# KiCad board 8851_HW-U1-VCU118_REV2-0_071417.kicad_pcb (continued)
## Routing (per net, layer and track width the routed paths; a pad name or vN(x,y) marks a point on that pad's centre or on a via; arc(x,y) is an arc through that point) (continued)
FMCP_HSPC_DP14_C2M_N: length 181.6
  TOP w0.102: J22.M19 v3(82.75,169.5)
  TOP w0.113: 111.95,82.03 v2(111.45,82.52)
  05_SIG2 w0.107: v2(111.45,82.52) 111.45,82.24 arc(111.64,82.31) 111.56,82.13 111.73,82.13 arc(111.81,82.16) 111.85,82.24 111.85,87.63 arc(111.82,87.73) 111.76,87.82 111.57,88.02 arc(111.43,88.11) 111.27,88.14 arc(111.07,88.18) 110.91,88.29 110.67,88.53 110.55,88.53 110.53,88.55
  05_SIG2 w0.15: 110.53,88.55 106.91,92.17 arc(106.28,93.11) 106.06,94.23 106.06,102.68 106.05,102.69 106.05,110.58 arc(106.12,110.94) 106.33,111.25 arc(106.47,111.47) 106.52,111.73 106.52,111.73 106.5,115.37 arc(106.46,115.98) 106.36,116.58 106.3,116.8 arc(112.47,117.9) 106.22,117.53 106.22,125.03 arc(106.06,125.82) 105.61,126.49 101.84,130.26 arc(101.41,130.55) 100.9,130.65 92.59,130.65 arc(94.94,136.32) 89.27,133.97 89.27,134.91 arc(89.18,135.11) 88.98,135.19 88.28,135.19 arc(88.74,136.3) 87.62,135.84 87.62,139.38 arc(87.5,140) 87.15,140.52 86.52,141.16 arc(85.5,141.84) 84.3,142.08 77.92,142.08 arc(76.91,142.28) 76.05,142.85 arc(74.84,143.66) 73.42,143.94 72.45,143.94 arc(70.48,144.33) 68.82,145.44 arc(68.49,145.94) 68.37,146.52 68.37,146.64 arc(68.48,147.17) 68.78,147.62 70.02,148.86 arc(70.55,149.21) 71.17,149.34 71.44,149.34 arc(71.93,149.13) 72.13,148.64 72.13,147.87 arc(71.93,147.38) 71.44,147.17 70.71,147.17 arc(70.99,146.89) 70.71,146.61 71.57,146.61 arc(71.97,146.45) 72.13,146.05 arc(72.41,146.33) 72.69,146.05 72.69,148.64 arc(72.9,149.13) 73.39,149.34 74.16,149.34 arc(74.47,149.4) 74.72,149.57 76.46,151.31 arc(76.8,151.82) 76.92,152.42 76.92,153.8 76.95,153.82 76.95,154.98 76.92,155 76.92,156.66 76.95,156.68 76.95,158.31 arc(76.84,158.58) 76.57,158.69 76.38,158.69 arc(76.13,158.74) 75.93,158.88 75.91,158.9 arc(77.14,159.72) 75.69,159.43 75.69,167.08 arc(76.89,166.84) 75.87,167.52 75.98,167.63 arc(76.18,167.77) 76.42,167.81 82.99,167.81 arc(83.13,167.87) 83.19,168.01 83.19,169.35 arc(83.14,169.46) 83.04,169.5 v3(82.75,169.5)
FMCP_HSPC_DP14_C2M_P: length 173
  TOP w0.102: J22.M18 v3(84,169.5)
  TOP w0.113: 111.95,81.05 v2(111.45,81.54)
  05_SIG2 w0.107: v2(111.45,81.54) 111.45,81.67 arc(111.53,81.85) 111.72,81.93 111.73,81.93 arc(111.95,82.02) 112.05,82.24 112.05,87.63 arc(112.01,87.81) 111.91,87.96 111.71,88.16 arc(111.51,88.3) 111.27,88.34 arc(111.15,88.37) 111.05,88.43 110.81,88.67 110.81,88.8 110.79,88.81
  05_SIG2 w0.15: 110.79,88.81 107.18,92.43 arc(106.63,93.25) 106.43,94.23 106.43,102.84 106.43,102.84 106.43,110.58 arc(107.54,110.36) 106.6,110.99 arc(106.82,111.33) 106.9,111.73 106.9,111.73 106.88,115.38 arc(106.84,116.03) 106.72,116.67 106.67,116.89 arc(112.1,117.85) 106.59,117.53 106.59,125.03 arc(106.41,125.96) 105.88,126.75 102.1,130.53 arc(101.55,130.9) 100.9,131.03 92.59,131.03 arc(94.68,136.06) 89.64,133.97 89.64,134.91 arc(89.45,135.37) 88.98,135.57 88.28,135.57 arc(88.47,136.04) 88,135.84 88,139.38 arc(87.85,140.14) 87.42,140.79 86.78,141.42 arc(85.64,142.18) 84.3,142.45 77.92,142.45 arc(77.05,142.62) 76.32,143.12 arc(74.99,144) 73.42,144.32 72.45,144.32 arc(70.63,144.68) 69.08,145.71 arc(68.84,146.08) 68.75,146.52 68.75,146.64 arc(68.83,147.03) 69.04,147.35 70.29,148.6 arc(70.69,148.87) 71.17,148.96 71.44,148.96 arc(71.66,148.87) 71.76,148.64 71.76,147.87 arc(71.66,147.64) 71.44,147.55 70.71,147.55 arc(71.36,146.89) 70.71,146.23 71.57,146.23 arc(71.7,146.18) 71.76,146.05 arc(72.41,146.71) 73.07,146.05 73.07,148.64 arc(73.16,148.87) 73.39,148.96 74.16,148.96 arc(74.61,149.05) 74.99,149.3 76.43,150.74 76.73,151.04 arc(77.15,151.68) 77.3,152.42 77.3,153.64 77.33,153.67 77.33,155.13 77.3,155.16 77.3,156.5 77.33,156.53 77.33,158.31 arc(77.11,158.85) 76.57,159.06 76.38,159.06 arc(76.28,159.09) 76.19,159.14 76.17,159.16 arc(76.09,159.28) 76.06,159.43 76.06,167.08 arc(76.08,167.18) 76.14,167.26 76.25,167.37 arc(76.33,167.42) 76.42,167.44 82.99,167.44 arc(83.4,167.61) 83.56,168.01 83.56,169.21 arc(83.65,169.42) 83.86,169.5 v3(84,169.5)
FMCP_HSPC_DP14_M2C_N: length 154.1
  TOP w0.102: J22.Y19 v3(82.75,153.25)
  TOP w0.113: v2(113.42,87.44) 113.91,86.95
  05_SIG2 w0.107: v2(113.42,87.44) 113.42,87.16 arc(113.61,87.24) 113.53,87.05 113.61,87.05 arc(113.76,87.11) 113.83,87.27 113.83,87.88 arc(113.81,87.97) 113.75,88.05 113.73,88.08
  05_SIG2 w0.15: 113.73,88.08 113.73,88.4 arc(113.69,88.6) 113.57,88.77 109.42,92.92 arc(109.16,93.32) 109.07,93.78 109.07,103.52 arc(109.03,103.7) 108.92,103.84 108.84,103.91 108.83,103.91 arc(108.79,103.93) 108.74,103.96 arc(108.54,104.13) 108.42,104.37 arc(109.64,104.14) 109.09,105.25 109.67,105.25 arc(109.87,105.33) 109.95,105.53 109.95,106.31 arc(111.21,106.06) 110.14,106.77 110.23,106.86 arc(110.3,107.02) 110.23,107.17 arc(110.14,107.23) 110.03,107.26 109.11,107.26 arc(109.8,107.95) 109.11,108.64 109.67,108.64 arc(109.99,108.78) 110.12,109.1 arc(110.02,109.63) 109.72,110.08 arc(111.01,110.94) 109.49,110.64 109.49,116.72 arc(109.43,117.03) 109.26,117.28 108.91,117.63 arc(111.03,119.05) 108.52,118.55 108.52,127.94 arc(108.38,128.65) 107.99,129.24 100.83,136.4 arc(100.57,136.57) 100.27,136.63 98.36,136.63 arc(98.26,136.59) 98.21,136.48 98.21,134.55 arc(97.46,135.3) 96.71,134.55 96.71,136.47 arc(96.37,136.81) 96.04,136.47 96.04,134.47 arc(95.81,133.93) 95.26,133.7 95.1,133.7 arc(94.96,133.67) 94.84,133.59 94.68,133.43 arc(94.48,133.3) 94.25,133.25 94.22,133.25 arc(94.85,134.77) 93.34,134.14 93.34,134.22 arc(94.97,133.89) 93.59,134.82 93.97,135.21 arc(94.06,135.33) 94.09,135.48 94.09,138.59 arc(94.04,138.84) 93.9,139.05 93.55,139.4 arc(93.22,139.62) 92.83,139.7 91.09,139.7 arc(90.57,139.8) 90.12,140.1 arc(91.24,140.84) 89.92,140.58 89.92,140.93 arc(89.9,141.16) 89.82,141.39 arc(89.74,141.52) 89.64,141.64 86.87,144.4 arc(86.34,144.76) 85.7,144.89 arc(85.1,145.01) 84.6,145.34 84.28,145.66 arc(84.12,145.91) 84.06,146.2 84.06,146.59 arc(83.76,147.3) 83.05,147.59 80.84,147.59 arc(80.31,147.49) 79.86,147.19 78.98,146.31 arc(78.67,146.1) 78.3,146.03 77.94,146.03 arc(77.74,146.06) 77.57,146.18 77.34,146.41 arc(78.8,147.26) 77.11,147.23 arc(77.2,147.45) 77.34,147.64 77.85,148.15 arc(79.23,149.07) 80.86,149.4 82.17,149.4 arc(82.51,149.74) 82.17,150.07 80.05,150.07 arc(80.52,151.2) 79.39,150.73 79.39,152 arc(79.57,152.43) 80.01,152.61 80.8,152.61 arc(81.18,152.45) 81.34,152.07 81.34,151.82 arc(81.77,152) 81.59,151.57 81.85,151.57 arc(82.09,151.62) 82.29,151.76 83.15,152.62 arc(83.21,152.7) 83.24,152.79 arc(83.25,152.82) 83.25,152.86 83.25,153.04 arc(83.19,153.19) 83.04,153.25 v3(82.75,153.25)
FMCP_HSPC_DP14_M2C_P: length 138.4
  TOP w0.102: J22.Y18 v3(84,153.25)
  TOP w0.113: v2(113.42,86.46) 113.91,85.97
  05_SIG2 w0.107: v2(113.42,86.46) 113.42,86.74 arc(113.45,86.82) 113.53,86.85 113.61,86.85 arc(113.9,86.97) 114.03,87.27 114.03,87.89 arc(114.53,87.79) 114.1,88.08
  05_SIG2 w0.15: v3(84,153.25) 83.71,152.97 arc(83.64,152.85) 83.61,152.72 arc(83.54,152.52) 83.42,152.35 82.56,151.49 arc(82.23,151.27) 81.85,151.2 81.59,151.2 arc(82.04,152.26) 80.97,151.82 80.97,152.07 arc(80.92,152.19) 80.8,152.24 80.01,152.24 arc(79.84,152.17) 79.77,152 79.77,150.73 arc(80.25,150.93) 80.05,150.45 82.17,150.45 arc(82.88,149.74) 82.17,149.02 80.86,149.02 arc(79.38,148.73) 78.12,147.89 77.61,147.38 arc(77.53,147.27) 77.48,147.14 77.48,147.07 arc(77.52,146.82) 77.66,146.62 77.84,146.44 arc(77.88,146.41) 77.94,146.4 78.3,146.4 arc(78.53,146.44) 78.72,146.57 79.6,147.45 arc(80.17,147.84) 80.84,147.97 83.05,147.97 arc(84.03,147.56) 84.43,146.59 84.43,146.2 arc(84.46,146.05) 84.55,145.92 84.86,145.61 arc(85.25,145.35) 85.7,145.26 arc(86.48,145.11) 87.14,144.67 89.9,141.91 arc(90.04,141.74) 90.15,141.55 arc(90.26,141.25) 90.3,140.93 90.3,140.58 90.3,140.58 arc(90.89,140.7) 90.39,140.37 arc(90.71,140.15) 91.09,140.08 92.82,140.08 arc(93.36,139.97) 93.82,139.66 94.16,139.32 arc(94.38,138.99) 94.46,138.59 94.46,135.48 arc(94.4,135.19) 94.24,134.94 93.85,134.55 arc(94.63,134.04) 93.71,134.22 93.71,134.14 arc(94.59,134.5) 94.22,133.62 94.25,133.62 arc(94.34,133.64) 94.41,133.69 94.58,133.86 arc(94.82,134.02) 95.1,134.08 95.26,134.08 arc(95.54,134.19) 95.66,134.47 95.66,136.47 arc(96.37,137.19) 97.09,136.47 97.09,134.55 arc(97.46,134.93) 97.84,134.55 97.84,136.48 arc(97.99,136.85) 98.36,137 100.27,137 arc(100.72,136.92) 101.1,136.66 108.25,129.51 arc(108.73,128.79) 108.9,127.94 108.9,118.55 arc(110.68,118.9) 109.17,117.9 109.52,117.55 arc(109.77,117.17) 109.86,116.72 109.86,110.64 arc(109.89,110.48) 109.98,110.34 arc(110.36,109.77) 110.5,109.1 arc(110.26,108.51) 109.67,108.27 109.11,108.27 arc(109.43,107.95) 109.11,107.63 110.03,107.63 arc(110.28,107.58) 110.5,107.44 arc(110.67,107.02) 110.5,106.6 110.41,106.51 arc(110.86,106.2) 110.33,106.31 110.33,105.53 arc(110.13,105.07) 109.67,104.87 109.09,104.87 arc(109.35,104.36) 108.79,104.47 arc(108.81,104.38) 108.88,104.31 108.93,104.28 arc(108.95,104.27) 108.97,104.26 arc(109,104.25) 109.02,104.24 109.16,104.13 arc(109.37,103.86) 109.44,103.52 109.44,93.78 arc(109.51,93.46) 109.69,93.19 113.84,89.04 arc(114.03,88.75) 114.1,88.4 114.1,88.08
FMCP_HSPC_DP15_C2M_N: length 157.9
  TOP w0.102: J22.M23 v3(77.75,169.5)
  TOP w0.113: v2(109.49,82.52) 109.98,82.03
  05_SIG2 w0.107: 109.04,88.38 109.06,88.36 109.19,88.36 109.77,87.77 arc(109.85,87.65) 109.88,87.52 109.88,82.24 arc(109.85,82.16) 109.77,82.13 109.59,82.13 arc(109.67,82.31) 109.49,82.24 v2(109.49,82.52)
  05_SIG2 w0.15: 109.04,88.38 107.17,90.25 arc(106.97,90.33) 106.77,90.25 106.51,89.99 arc(106.99,89.79) 106.51,89.59 106.99,89.11 arc(107.2,88.62) 106.99,88.13 arc(106.5,87.93) 106.01,88.13 105.51,88.64 arc(105.33,88.71) 105.16,88.64 104.7,88.18 arc(104.24,87.99) 103.78,88.18 arc(105.05,88.7) 103.78,89.22 105.58,91.02 arc(105.75,91.43) 105.58,91.84 105.01,92.41 arc(104.66,92.94) 104.53,93.56 104.53,106.95 arc(104.53,107.07) 104.51,107.19 104.31,108.2 arc(104.29,108.36) 104.28,108.52 104.28,125.37 arc(104.17,125.89) 103.88,126.33 101.95,128.25 arc(101.74,128.4) 101.48,128.45 100.54,128.45 arc(100.22,128.51) 99.95,128.69 99.49,129.16 arc(99.19,129.36) 98.84,129.43 96.67,129.43 arc(96.36,129.29) 96.22,128.97 96.22,128.83 arc(95.4,129.66) 94.57,128.83 94.57,129.09 arc(94.48,129.33) 94.24,129.43 91.98,129.43 arc(90.73,129.67) 89.66,130.39 88.43,131.62 arc(88.05,132.18) 87.92,132.85 arc(87.8,133.45) 87.46,133.95 86.89,134.52 arc(89.43,136.22) 86.44,135.62 86.44,138.69 arc(86.32,139.28) 85.98,139.78 arc(84.98,140.45) 83.8,140.69 76.94,140.69 arc(75.94,140.89) 75.09,141.46 74.94,141.6 arc(74.08,142.18) 73.07,142.38 72.84,142.38 arc(72.83,142.38) 72.83,142.38 arc(69.98,143.02) 67.57,144.66 arc(71.8,146.41) 67.57,148.16 69.75,150.35 arc(70.28,150.7) 70.9,150.82 72.39,150.82 arc(72.86,150.92) 73.27,151.19 74.36,152.27 arc(74.43,152.38) 74.45,152.5 74.45,153.69 74.42,153.72 74.42,155.06 74.45,155.09 74.45,156.2 74.42,156.23 74.42,168.38 arc(74.63,168.86) 75.11,169.06 78.05,169.06 arc(78.15,169.1) 78.19,169.2 78.19,169.35 arc(78.14,169.46) 78.04,169.5 v3(77.75,169.5)
FMCP_HSPC_DP15_C2M_P: length 154.6
  TOP w0.102: J22.M22 v3(79,169.5)
  TOP w0.113: v2(109.49,81.54) 109.98,81.05
  05_SIG2 w0.107: v2(109.49,81.54) 109.49,81.67 arc(109.56,81.85) 109.74,81.93 109.77,81.93 arc(109.99,82.02) 110.08,82.24 110.08,87.52 arc(110.03,87.73) 109.91,87.91 109.33,88.5 109.33,88.62 109.31,88.64
  05_SIG2 w0.15: v3(79,169.5) 78.86,169.5 arc(78.65,169.41) 78.56,169.2 arc(78.41,168.84) 78.05,168.69 75.11,168.69 arc(74.89,168.6) 74.8,168.38 74.8,156.38 74.83,156.36 74.83,155.09 74.8,155.06 74.8,153.87 74.83,153.85 74.83,152.5 arc(74.77,152.23) 74.62,152.01 73.54,150.92 arc(73.01,150.57) 72.39,150.45 70.9,150.45 arc(70.42,150.35) 70.01,150.08 67.83,147.9 arc(71.42,146.41) 67.83,144.92 arc(70.13,143.36) 72.84,142.76 arc(72.95,142.75) 73.06,142.75 73.07,142.75 arc(74.22,142.52) 75.2,141.87 75.35,141.72 arc(76.08,141.23) 76.94,141.06 83.8,141.06 arc(85.13,140.8) 86.25,140.05 arc(86.67,139.42) 86.81,138.69 86.81,135.62 arc(89.09,136.07) 87.16,134.78 87.73,134.21 arc(88.15,133.59) 88.29,132.85 arc(88.4,132.33) 88.69,131.88 89.93,130.65 arc(90.87,130.02) 91.98,129.8 94.24,129.8 arc(94.74,129.59) 94.95,129.09 94.95,128.83 arc(95.4,129.28) 95.85,128.83 95.85,128.97 arc(96.09,129.56) 96.67,129.8 98.84,129.8 arc(99.33,129.7) 99.75,129.42 100.22,128.96 arc(100.37,128.86) 100.54,128.82 101.48,128.82 arc(101.88,128.75) 102.22,128.52 104.14,126.59 arc(104.52,126.03) 104.65,125.37 104.65,108.52 arc(104.66,108.39) 104.68,108.27 104.88,107.27 arc(104.9,107.11) 104.91,106.95 104.91,93.56 arc(105,93.08) 105.27,92.67 105.85,92.1 arc(106.13,91.43) 105.85,90.76 104.05,88.96 arc(104.67,88.7) 104.05,88.44 arc(104.24,88.36) 104.43,88.44 104.89,88.9 arc(105.33,89.08) 105.77,88.9 106.28,88.4 arc(106.5,88.31) 106.73,88.4 arc(106.82,88.62) 106.73,88.85 106.25,89.33 arc(107.37,89.79) 106.25,90.26 106.51,90.51 arc(106.97,90.71) 107.43,90.51 109.31,88.64
FMCP_HSPC_DP15_M2C_N: length 162.8
  TOP w0.102: J22.Y23 v3(77.75,153.25)
  TOP w0.113: v2(112.44,85.48) 112.93,84.98
  05_SIG2 w0.107: v2(112.44,85.48) 112.44,85.18 arc(112.7,85.29) 112.59,85.03 112.72,85.03 arc(112.79,85.06) 112.83,85.14 112.83,87.61 arc(112.75,87.98) 112.54,88.29 112.17,88.67 arc(112.14,88.69) 112.1,88.71 arc(112.05,88.73) 112,88.74 111.97,88.74 111.96,88.76
  05_SIG2 w0.15: v3(77.75,153.25) 77.94,153.25 arc(78.1,153.18) 78.17,153.02 78.17,150.51 arc(77.83,149.7) 77.03,149.37 arc(76.72,149.31) 76.47,149.14 76.11,148.78 arc(77.56,147.81) 75.85,148.15 75.85,146.68 arc(75.55,146.98) 75.25,146.68 75.25,147.17 arc(75.19,147.49) 75.01,147.77 74.97,147.8 arc(74.78,147.93) 74.56,147.97 arc(74.28,147.9) 74.06,147.71 74.02,147.65 arc(73.94,147.49) 73.91,147.3 73.91,145.73 arc(74.99,146.18) 74.54,145.09 75,145.09 arc(75.98,144.9) 76.81,144.34 77.39,143.76 arc(77.84,143.46) 78.38,143.35 78.61,143.35 arc(79.14,143.57) 79.36,144.1 79.36,144.88 arc(79.7,145.21) 80.03,144.88 80.03,144.1 arc(80.78,144.85) 81.53,144.1 81.53,144.88 arc(81.87,145.21) 82.21,144.88 82.21,144.1 arc(83.49,144.63) 82.96,143.35 84.95,143.35 arc(86.08,143.12) 87.04,142.48 88.08,141.45 arc(88.65,140.59) 88.85,139.58 88.85,139.23 arc(90.13,139.76) 89.6,138.48 92.6,138.48 arc(92.94,138.14) 92.6,137.8 89.6,137.8 arc(90.35,137.05) 89.6,136.3 92.6,136.3 arc(92.94,135.96) 92.6,135.63 91.01,135.63 arc(90.63,135.47) 90.47,135.08 90.47,133.97 arc(93.87,135.38) 92.46,131.97 97.12,131.97 arc(97.7,132.09) 98.19,132.42 98.56,132.78 arc(99.3,133.28) 100.17,133.45 101.91,133.45 arc(102.26,133.31) 102.41,132.95 102.41,131.74 arc(104.11,132.08) 102.67,131.11 107.13,126.65 arc(107.31,126.38) 107.37,126.06 107.37,118.02 arc(109.5,118.44) 107.7,117.24 arc(107.8,117.08) 107.84,116.9 107.84,109.92 arc(107.8,109.71) 107.68,109.52 arc(107.67,109.5) 107.66,109.49 arc(110.11,107.85) 107.22,108.43 107.22,103.93 arc(109.17,104.32) 107.52,103.21 arc(107.58,103.11) 107.6,103 107.6,93.49 arc(107.67,93.14) 107.88,92.83 111.96,88.76
FMCP_HSPC_DP15_M2C_P: length 147.3
  TOP w0.102: J22.Y22 v3(79,153.25)
  TOP w0.113: v2(112.44,84.49) 112.93,84
  05_SIG2 w0.107: 112.22,89.02 112.24,89 arc(112.81,89.12) 112.33,88.79 112.68,88.43 arc(112.94,88.06) 113.03,87.61 113.03,85.14 arc(112.93,84.92) 112.72,84.83 112.57,84.83 arc(112.56,84.83) 112.56,84.83 arc(112.47,84.79) 112.44,84.7 v2(112.44,84.49)
  05_SIG2 w0.15: 112.22,89.02 108.14,93.1 arc(108.02,93.28) 107.98,93.49 107.98,103 arc(107.93,103.25) 107.78,103.47 arc(107.64,103.68) 107.59,103.93 107.59,108.43 arc(107.68,108.86) 107.92,109.23 arc(107.94,109.25) 107.96,109.27 108.21,109.37 108.21,116.9 arc(108.15,117.22) 107.96,117.5 arc(109.15,118.3) 107.75,118.02 107.75,118.02 107.75,126.06 arc(107.66,126.52) 107.39,126.91 102.93,131.37 arc(103.77,131.93) 102.78,131.74 102.78,132.95 arc(102.53,133.57) 101.91,133.83 100.17,133.83 arc(99.15,133.63) 98.29,133.05 97.92,132.68 arc(97.56,132.44) 97.12,132.35 92.46,132.35 arc(93.61,135.12) 90.84,133.97 90.84,135.08 arc(90.89,135.2) 91.01,135.25 92.6,135.25 arc(93.31,135.96) 92.6,136.68 89.6,136.68 arc(89.97,137.05) 89.6,137.43 92.6,137.43 arc(93.31,138.14) 92.6,138.85 89.6,138.85 arc(89.87,139.49) 89.22,139.23 89.22,139.58 arc(89,140.74) 88.34,141.72 87.31,142.75 arc(86.23,143.47) 84.95,143.73 82.96,143.73 arc(83.22,144.37) 82.58,144.1 82.58,144.88 arc(81.87,145.59) 81.16,144.88 81.16,144.1 arc(80.78,144.48) 80.41,144.1 80.41,144.88 arc(79.7,145.59) 78.98,144.88 78.98,144.1 arc(78.87,143.83) 78.61,143.73 78.38,143.73 arc(77.99,143.8) 77.65,144.03 77.07,144.61 arc(76.12,145.24) 75,145.47 74.54,145.47 arc(74.73,145.91) 74.28,145.73 74.28,147.3 arc(74.29,147.37) 74.32,147.44 74.36,147.5 arc(74.45,147.57) 74.56,147.6 74.56,147.6 arc(74.64,147.58) 74.71,147.54 74.74,147.5 arc(74.84,147.35) 74.88,147.17 74.88,146.68 arc(75.55,147.35) 76.23,146.68 76.23,148.15 arc(77.22,147.96) 76.38,148.52 76.73,148.87 arc(76.87,148.96) 77.03,148.99 arc(78.1,149.44) 78.54,150.51 78.54,152.31 arc(80.79,151.87) 78.89,153.14 v3(79,153.25)
FMCP_HSPC_DP16_C2M_N: length 180
  TOP w0.102: J22.M27 v3(72.75,169.5)
  TOP w0.113: v2(100.63,84.49) 101.12,84
  05_SIG2 w0.107: 101.92,88.32 101.96,88.28 arc(102,88.23) 102.01,88.17 102.01,86.24 arc(101.96,86.12) 101.83,86.07 101.4,86.07 arc(101.14,85.96) 101.03,85.69 101.03,84.17 arc(100.99,84.08) 100.9,84.04 100.74,84.04 100.72,84.05 arc(100.82,84.23) 100.63,84.15 v2(100.63,84.49)
  05_SIG2 w0.15: 101.92,88.32 101.92,88.51 arc(103.51,88.19) 102.17,89.09 102.26,89.19 arc(102.8,90) 102.99,90.96 102.99,103.55 arc(104.56,103.23) 103.23,104.12 arc(103.32,104.26) 103.36,104.42 103.36,105.57 arc(103.32,105.76) 103.21,105.93 arc(103.05,106.17) 102.99,106.44 102.99,122.22 arc(102.8,123.17) 102.27,123.97 101.88,124.36 arc(101.68,124.44) 101.48,124.36 100.37,123.25 arc(99.88,123.05) 99.39,123.25 arc(100.57,123.74) 99.39,124.23 99.83,124.67 arc(99.9,124.77) 99.92,124.89 99.92,125.16 arc(99.86,125.3) 99.71,125.36 84.09,125.36 arc(84.77,127) 83.12,126.32 83.12,129.4 arc(82.79,130.21) 81.98,130.55 79.5,130.55 arc(80.68,133.39) 77.84,132.21 77.84,136.65 arc(77.51,137.46) 76.71,137.79 75.92,137.79 arc(75.46,137.6) 75.27,137.14 75.27,136.71 arc(74.45,137.54) 73.62,136.71 73.62,137.14 arc(73.49,137.46) 73.17,137.59 72,137.59 arc(70.72,137.85) 69.63,138.57 68.27,139.94 arc(74.15,143.87) 67.21,142.49 67.21,142.74 arc(67.17,142.97) 67.07,143.18 arc(67.03,143.23) 66.99,143.27 66.53,143.73 arc(71.37,146.96) 65.67,145.82 65.67,146.98 arc(65.88,148.07) 66.5,148.99 69.28,151.77 arc(69.41,151.96) 69.45,152.18 69.45,153.48 69.42,153.5 69.42,155.3 69.45,155.33 69.45,156.11 69.42,156.14 69.42,157.66 69.44,157.68 69.44,168.36 arc(69.65,168.86) 70.14,169.06 73.05,169.06 arc(73.14,169.1) 73.19,169.19 arc(73.19,169.2) 73.19,169.2 73.19,169.35 arc(73.14,169.46) 73.04,169.5 v3(72.75,169.5)
FMCP_HSPC_DP16_C2M_P: length 156.4
  TOP w0.102: J22.M26 v3(74,169.5)
  TOP w0.113: 101.12,83.01 v2(100.63,83.51)
  05_SIG2 w0.107: v2(100.63,83.51) 100.63,83.73 arc(100.66,83.81) 100.74,83.84 100.9,83.84 arc(101.13,83.94) 101.23,84.17 101.23,85.69 arc(101.28,85.81) 101.4,85.87 101.83,85.87 arc(102.1,85.97) 102.21,86.24 102.21,88.17 arc(102.22,88.22) 102.25,88.27 102.3,88.32
  05_SIG2 w0.15: 102.3,88.32 102.3,88.51 arc(103.17,88.34) 102.43,88.83 102.53,88.92 arc(103.15,89.85) 103.37,90.96 103.37,103.55 arc(103.4,103.72) 103.5,103.86 arc(103.67,104.12) 103.73,104.42 103.73,105.57 arc(103.66,105.91) 103.47,106.19 arc(104.05,106.58) 103.37,106.44 103.37,122.22 arc(103.15,123.31) 102.53,124.23 102.14,124.62 arc(101.68,124.82) 101.21,124.62 100.1,123.52 arc(99.88,123.42) 99.65,123.52 arc(100.2,123.74) 99.65,123.97 100.1,124.41 arc(100.24,124.63) 100.3,124.89 100.3,125.16 arc(100.13,125.57) 99.71,125.74 84.09,125.74 arc(84.5,126.74) 83.5,126.32 83.5,129.4 arc(83.05,130.48) 81.98,130.93 79.5,130.93 arc(80.41,133.12) 78.22,132.21 78.22,136.65 arc(77.78,137.72) 76.71,138.17 75.92,138.17 arc(75.2,137.87) 74.9,137.14 74.9,136.71 arc(74.45,137.16) 74,136.71 74,137.14 arc(73.75,137.73) 73.17,137.97 72,137.97 arc(70.87,138.19) 69.9,138.84 68.53,140.2 arc(73.8,143.73) 67.59,142.49 67.59,142.74 arc(67.53,143.09) 67.37,143.41 67.37,143.42 66.8,143.99 arc(66.24,144.83) 66.04,145.82 66.04,146.98 arc(66.23,147.93) 66.77,148.73 69.55,151.51 arc(69.75,151.82) 69.83,152.18 69.83,153.63 69.8,153.66 69.8,155.15 69.83,155.17 69.83,156.27 69.8,156.29 69.8,157.5 69.82,157.52 69.82,168.36 arc(69.91,168.59) 70.14,168.69 73.05,168.69 arc(73.29,168.74) 73.49,168.87 73.91,169.3 arc(73.98,169.39) v3(74,169.5)
FMCP_HSPC_DP16_M2C_N: length 125.7
  TOP w0.102: J22.Z33 v3(65.25,154.5)
  TOP w0.113: 104.07,86.95 v2(103.58,87.44)
  07_SIG3 w0.107: v2(103.58,87.44) 103.58,87.16 arc(103.55,87.08) 103.47,87.05 103.31,87.05 arc(103.4,87.26) 103.18,87.18 103.18,88.33 103.27,88.42 103.27,88.45 ; v3(65.25,154.5) 65.74,155 arc(65.78,155.03) 65.81,155.06 arc(66.03,155.17) 66.27,155.21 69.13,155.21 arc(69.55,155.04) 69.73,154.61 69.73,152.81 69.82,152.72 69.82,152.7
  07_SIG3 w0.15: 103.27,88.45 103.27,88.97 103.34,89.3 103.4,89.92 103.4,101.26 arc(103.43,101.44) 103.53,101.58 105.89,103.94 arc(106.23,104.45) 106.35,105.06 106.35,110.98 arc(107.6,110.73) 106.54,111.43 arc(106.86,111.92) 106.97,112.48 106.97,127.11 arc(107.06,127.56) 107.32,127.93 arc(107.59,128.34) 107.68,128.82 107.68,129.45 arc(107.59,129.88) 107.35,130.25 104.07,133.53 arc(103.58,134.27) 103.4,135.14 103.4,135.92 arc(103.32,136.35) 103.07,136.72 arc(102.8,136.9) 102.47,136.97 99.29,136.97 arc(98.8,136.87) 98.39,136.6 97.67,135.88 arc(97.59,135.82) 97.49,135.8 96.4,135.8 arc(96.32,135.81) 96.24,135.84 arc(96.72,136.38) 96.02,136.18 96.02,138.6 arc(95.31,139.31) 94.6,138.6 94.6,136.18 arc(94.22,136.55) 93.85,136.18 93.85,138.6 arc(93.14,139.31) 92.42,138.6 92.42,136.18 arc(92.31,135.91) 92.05,135.8 91.44,135.8 arc(91.36,135.81) 91.28,135.83 arc(91.13,135.89) 91,135.98 arc(91.85,136.55) 90.85,136.35 90.85,136.35 90.85,138.77 arc(90.72,139.43) 90.35,139.99 79.02,151.32 arc(78.26,151.83) 77.36,152 70.54,152 arc(70.27,152.06) 70.04,152.21 69.9,152.35 arc(70.36,152.65) 69.82,152.55 69.82,152.7
FMCP_HSPC_DP16_M2C_P: length 153.4
  TOP w0.102: J22.Z32 v3(66.5,154.5)
  TOP w0.113: 104.07,85.97 v2(103.58,86.46)
  07_SIG3 w0.107: 69.44,152.7 69.44,152.72 69.53,152.81 69.53,154.61 arc(69.41,154.9) 69.13,155.01 66.27,155.01 arc(66.09,154.98) 65.93,154.9 arc(65.9,154.86) 65.89,154.81 65.89,154.65 arc(66.15,154.76) 66.05,154.5 v3(66.5,154.5) ; 102.9,88.45 102.9,88.42 102.98,88.33 102.98,87.18 arc(103.54,87.41) 103.31,86.85 103.47,86.85 arc(103.55,86.82) 103.58,86.74 v2(103.58,86.46)
  07_SIG3 w0.15: 69.44,152.7 69.44,152.55 arc(70.7,152.8) 69.64,152.08 69.78,151.94 arc(70.13,151.71) 70.54,151.63 77.36,151.63 arc(78.12,151.48) 78.75,151.05 90.08,139.72 arc(90.37,139.29) 90.48,138.77 90.48,136.35 arc(92.19,136.69) 90.74,135.72 arc(90.94,135.56) 91.18,135.46 arc(91.31,135.44) 91.44,135.43 92.05,135.43 arc(92.58,135.65) 92.8,136.18 92.8,138.6 arc(93.14,138.94) 93.47,138.6 93.47,136.18 arc(94.22,136.93) 94.97,136.18 94.97,138.6 arc(95.31,138.94) 95.65,138.6 95.65,136.18 arc(97.03,136.58) 96.08,135.5 arc(96.23,135.45) 96.4,135.43 97.49,135.43 arc(97.73,135.48) 97.94,135.62 98.66,136.33 arc(98.95,136.53) 99.29,136.59 102.47,136.59 arc(102.65,136.56) 102.81,136.45 arc(102.97,136.21) 103.03,135.92 103.03,135.14 arc(108.15,136.16) 103.81,133.26 107.08,129.99 arc(107.25,129.74) 107.31,129.45 107.31,128.82 arc(107.24,128.48) 107.05,128.2 arc(109.56,126.53) 106.6,127.11 106.6,112.48 arc(106.52,112.06) 106.28,111.7 arc(107.95,110.58) 105.97,110.98 105.97,105.06 arc(105.88,104.6) 105.62,104.2 103.27,101.85 arc(103.09,101.58) 103.02,101.26 103.02,89.94 102.96,89.35 102.9,89.01 102.9,88.45
FMCP_HSPC_DP17_C2M_N: length 146.8
  TOP w0.102: J22.M31 v3(67.75,169.5)
  TOP w0.113: v2(98.66,84.49) 99.15,84
  05_SIG2 w0.107: v2(98.66,84.49) 98.66,84.21 arc(98.84,84.28) 98.77,84.1 98.94,84.1 arc(99.02,84.13) 99.05,84.21 99.05,85.65 arc(99.17,85.94) 99.46,86.06 99.91,86.06 arc(100,86.1) 100.04,86.19 100.04,87.95 arc(100.02,88.05) 99.96,88.14
  05_SIG2 w0.15: 99.96,88.14 99.96,88.41 arc(100.06,88.95) 100.37,89.41 100.79,89.83 arc(100.8,89.84) 100.81,89.85 arc(101.34,90.65) 101.53,91.6 101.53,106.68 arc(101.5,107.07) 101.4,107.46 arc(101.15,108) 100.79,108.46 100.42,108.83 arc(101.78,109.74) 100.17,109.42 100.17,119.68 arc(99.98,120.64) 99.44,121.45 98.97,121.92 arc(98.04,122.54) 96.94,122.76 95.64,122.76 arc(95.2,122.85) 94.83,123.1 94.35,123.58 arc(94.03,123.79) 93.66,123.86 78.82,123.86 arc(79.25,124.92) 78.2,124.48 78.2,124.72 arc(78.37,125.13) 78.78,125.3 81.25,125.3 arc(81.44,125.38) 81.53,125.58 81.53,128.04 arc(81.16,128.93) 80.27,129.3 78.4,129.3 arc(78.03,129.37) 77.71,129.58 76.53,130.76 arc(78.71,132.21) 76.14,131.7 76.14,133.97 arc(75.93,134.49) 75.41,134.71 72.18,134.71 arc(71.44,134.85) 70.81,135.27 70.25,135.84 arc(69.98,135.95) 69.72,135.84 68.52,134.64 arc(67.99,134.42) 67.46,134.64 arc(68.74,135.17) 67.46,135.7 68.66,136.9 arc(68.77,137.16) 68.66,137.43 66.75,139.34 arc(66.04,140.4) 65.79,141.66 65.79,142.06 65.79,142.06 arc(65.73,142.34) 65.58,142.57 65.47,142.68 arc(64.69,143.84) 64.42,145.21 64.42,148.08 arc(64.63,149.11) 65.21,149.98 66.51,151.28 arc(66.82,151.74) 66.92,152.29 66.92,153.73 66.95,153.75 66.95,154.98 66.92,155 66.92,156.37 66.95,156.4 66.95,157.18 arc(68.07,156.96) 67.12,157.59 67.16,157.64 arc(67.36,157.77) 67.59,157.81 67.84,157.81 arc(67.94,157.83) 68.02,157.89 68.11,157.98 arc(68.17,158.06) 68.19,158.16 68.19,169.35 arc(68.14,169.46) 68.04,169.5 v3(67.75,169.5)